# Altium PCB PCB.PcbDoc
Units mil, origin at the board's own origin, x right, y up, seen from the top; angles counter-clockwise.
Board outline 2555 x 3730 mil, 2 copper layers (Top Layer, Bottom Layer); 30 components, 30 nets, 171 pads, 37 vias.
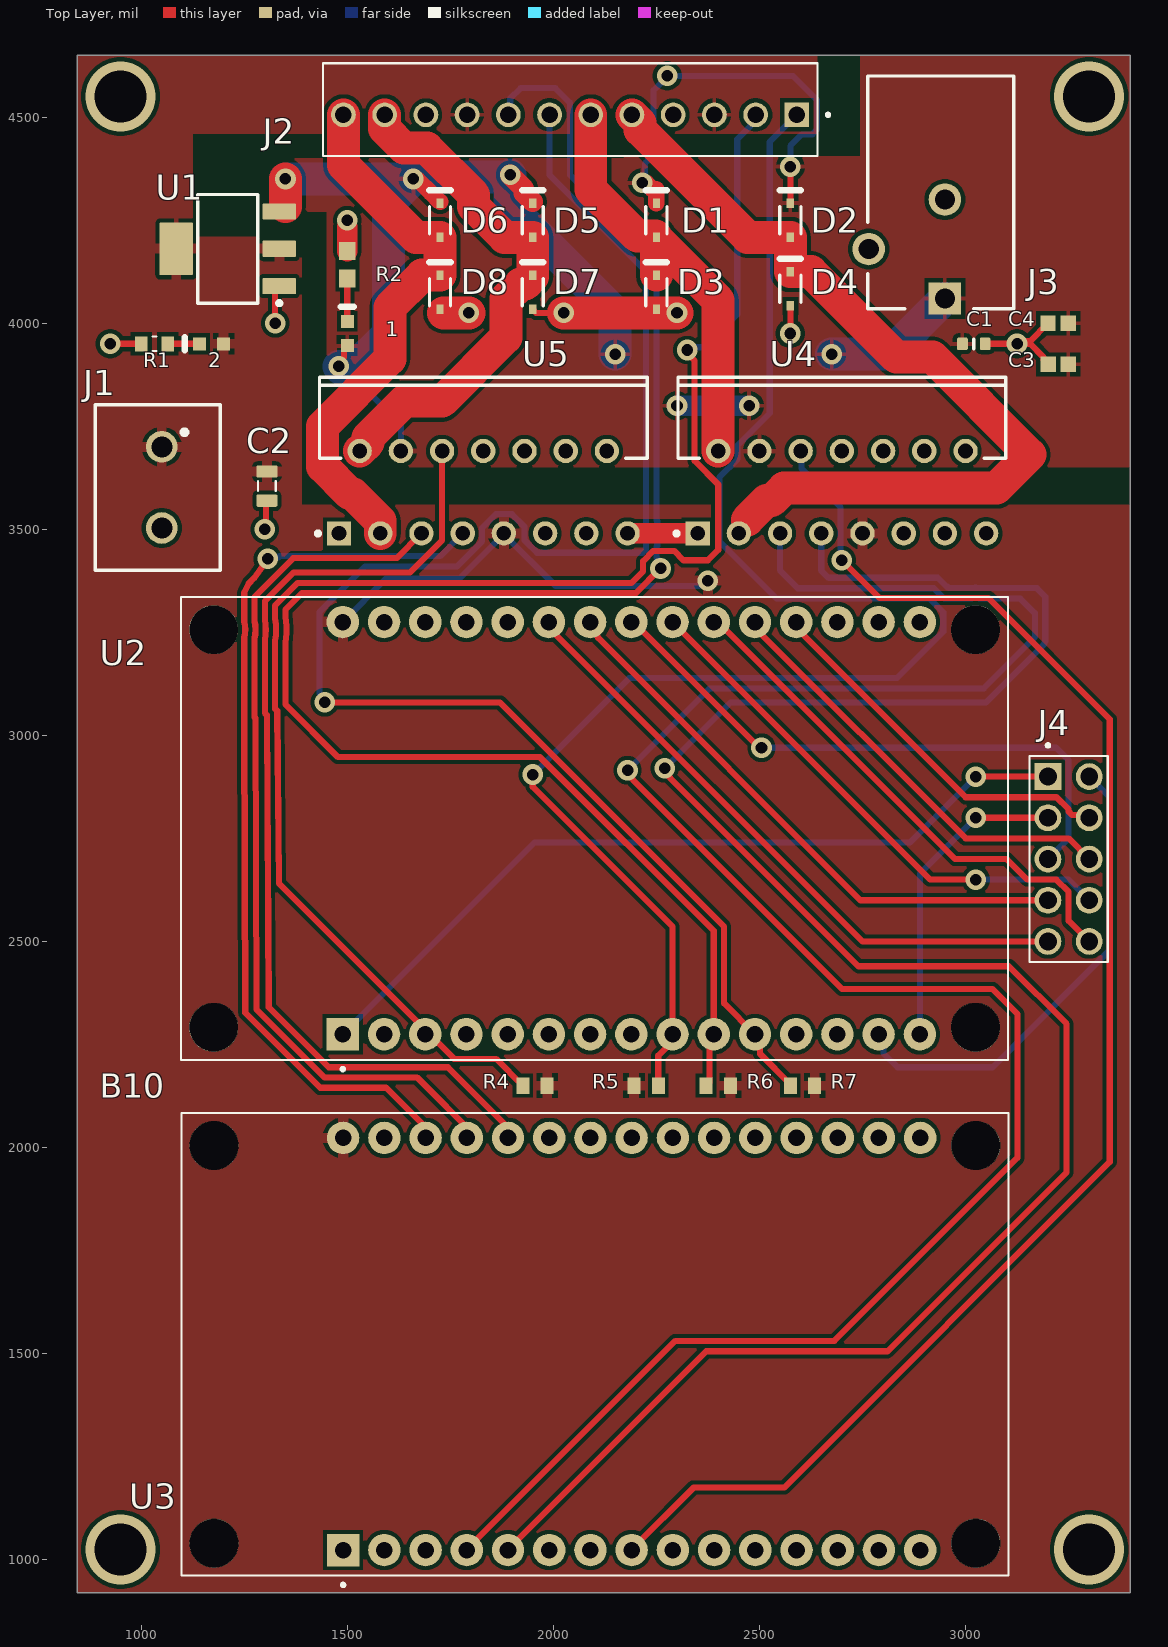
[diagram p0: Top Layer view]
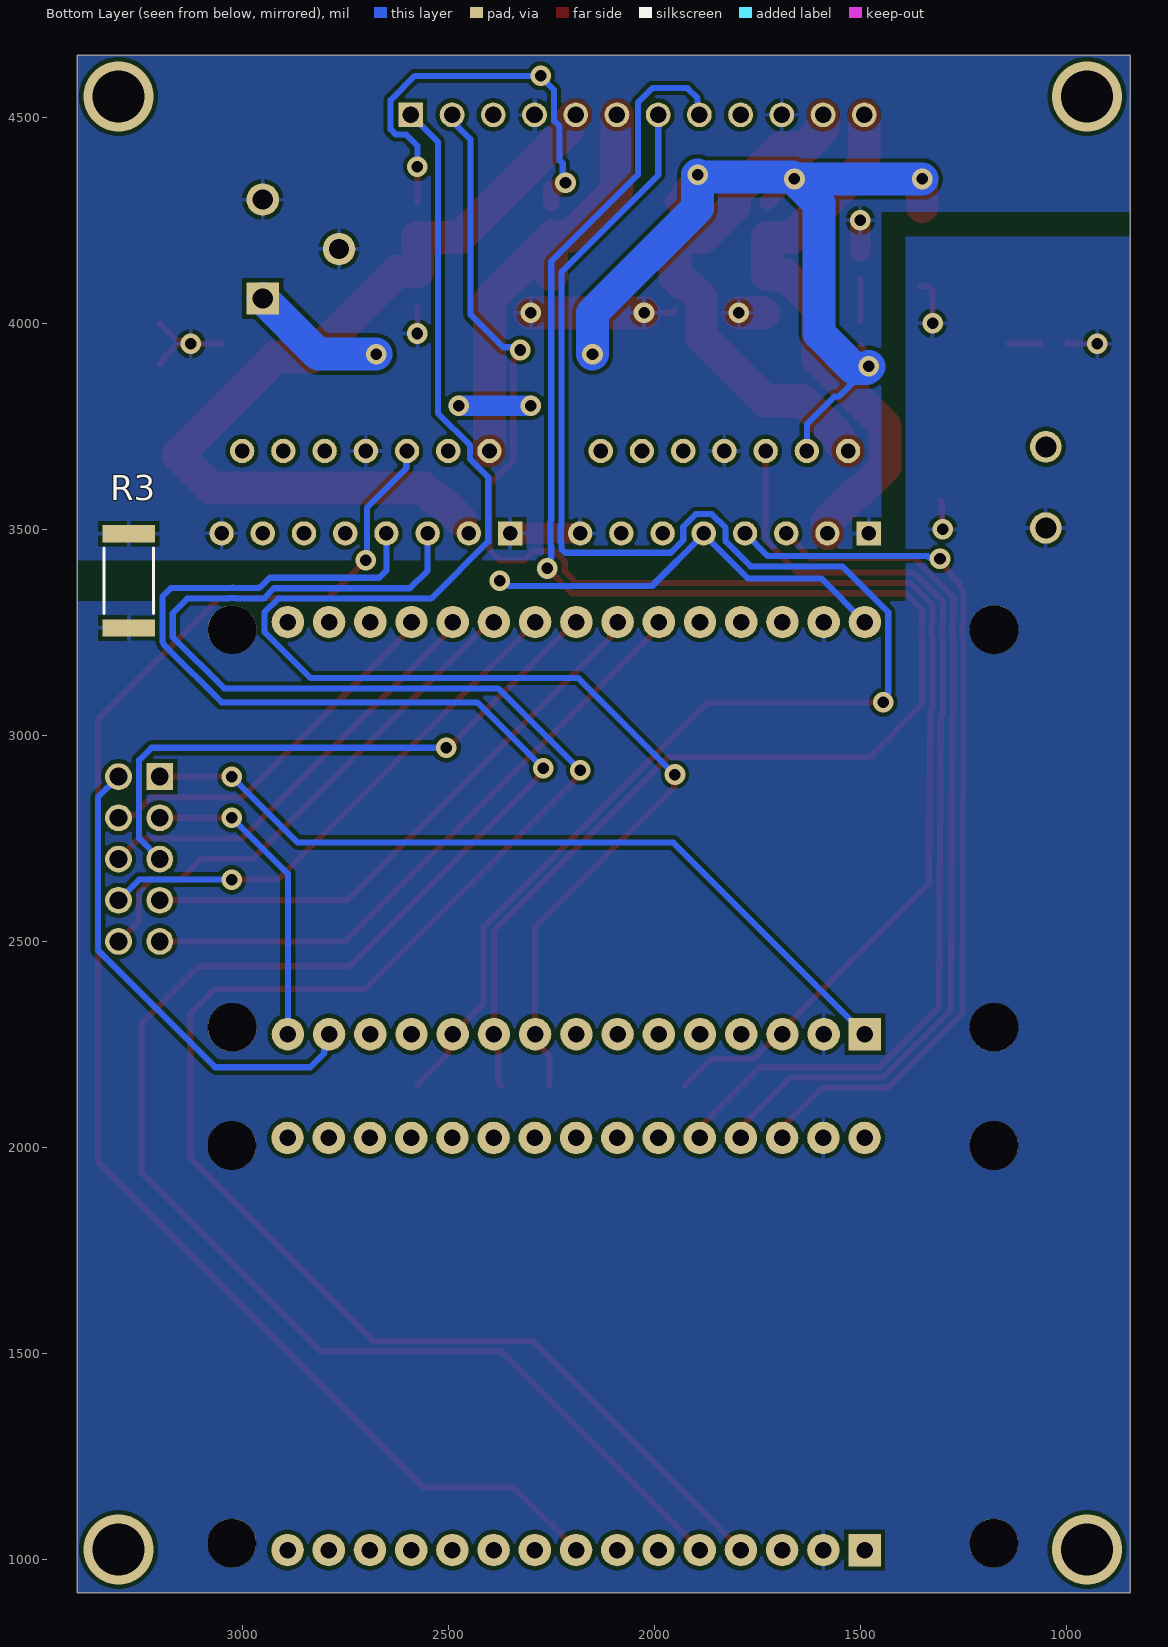
[diagram p1: Bottom Layer view, seen from below]
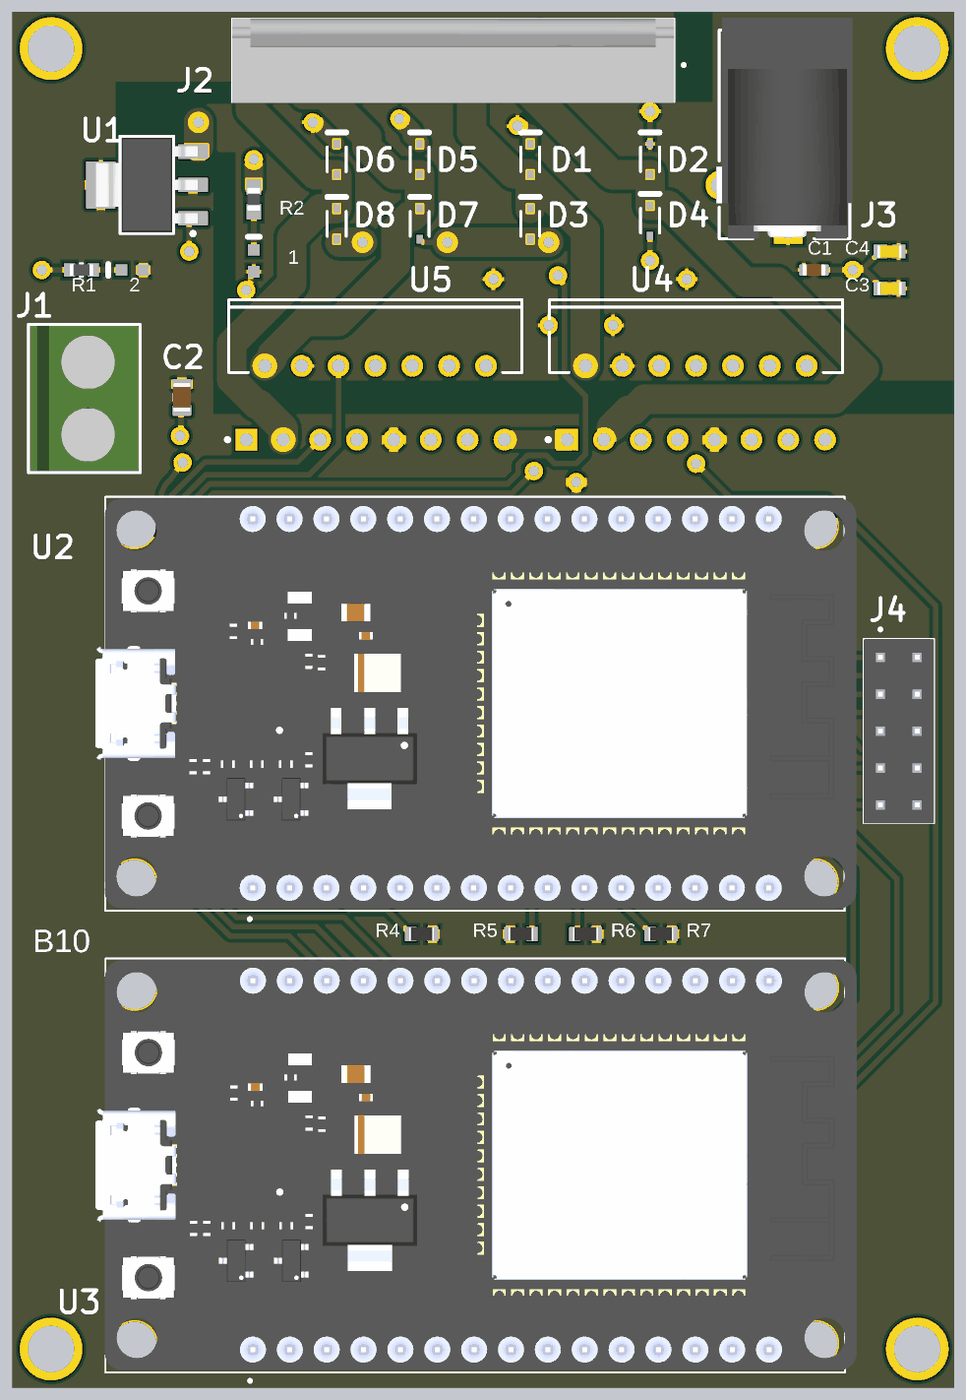
[diagram p2: 3D render of the assembled board from above, using the file's embedded part models]

## Layer stack, top to bottom
Top Solder: solder mask 0.4, Solder Resist, Dk 3.5
Top Layer: signal copper 1.4
Dielectric 1: dielectric 12.6, FR-4, Dk 4.8
Bottom Layer: signal copper 1.4
Bottom Solder: solder mask 0.4, Solder Resist, Dk 3.5

## Board outline
845,4650 3400,4650 3400,920 845,920

## Design rules (kind name [scope] priority, off if disabled: settings)
Clearance Clearance_2 [All] p1: gap=10 ignorepadtopadclearanceinfootprint=FALSE except(0: Arc-Hole Track-Hole SMDPad-Hole THPad-Hole Via-Hole Fill-Hole Poly-Hole Region-Hole Text-Hole)
Clearance Clearance_1 [All] p2: gap=10 ignorepadtopadclearanceinfootprint=FALSE except(0: Arc-Hole Track-Hole SMDPad-Hole THPad-Hole Via-Hole Fill-Hole Poly-Hole Region-Hole Text-Hole)
Clearance [All] p3: gap=10 ignorepadtopadclearanceinfootprint=FALSE except(0: Arc-Hole Track-Hole SMDPad-Hole THPad-Hole Via-Hole Fill-Hole Poly-Hole Region-Hole Text-Hole)
Clearance Clearance_3_1 [OnMid vs OnMid] p4: gap=10 ignorepadtopadclearanceinfootprint=FALSE except(0: Arc-Hole Track-Hole SMDPad-Hole THPad-Hole Via-Hole Fill-Hole Poly-Hole Region-Hole Text-Hole) sourcerule=47 cellrowname=All cellrowtype=0 cellcolname=All cellcoltype=0 innerlayers=TRUE
Clearance Clearance_3_2 [(ExistsOnLayer('Top Layer') Or ExistsOnLayer('Bottom Layer')) vs (ExistsOnLayer('Top Layer') Or ExistsOnLayer('Bottom Layer'))] p5: gap=10 ignorepadtopadclearanceinfootprint=FALSE except(0: Arc-Hole Track-Hole SMDPad-Hole THPad-Hole Via-Hole Fill-Hole Poly-Hole Region-Hole Text-Hole) sourcerule=47 cellrowname=All cellrowtype=0 cellcolname=All cellcoltype=0 outerlayers=TRUE
Clearance Clearance_3 [All] p6: gap=10 ignorepadtopadclearanceinfootprint=FALSE except(0: Arc-Hole Track-Hole SMDPad-Hole THPad-Hole Via-Hole Fill-Hole Poly-Hole Region-Hole Text-Hole) ismatrix=TRUE
HoleSize [All] p1: absolutevalues=TRUE maxlimit=1000 minlimit=12 maxpercent=80.000 minpercent=20.000
MinimumAnnularRing MinimumAnnularRing_1 [All] p1: minimumring=7
PlaneConnect PlaneConnect_1 [InNet('GND')] p1: planeconnectstyle=Relief reliefexpansion=20 reliefentries=4 reliefconductorwidth=50 reliefairgap=10
PlaneConnect [All] p2: planeconnectstyle=Relief reliefexpansion=20 reliefentries=4 reliefconductorwidth=50 reliefairgap=10
PolygonConnect PolygonConnect_4 [All vs IsNamedPolygon('+5') Or IsNamedPolygon('+12') Or IsNamedPolygon('GND')] p1: connectstyle=Relief reliefconductorwidth=25 reliefentries=4 polygonreliefangle="90 Angle" airgapwidth=10
PolygonConnect PolygonConnect_3 [All vs IsNamedPolygon('+5') Or IsNamedPolygon('+12') Or IsNamedPolygon('GND')] p2: thpad.connectstyle=Relief thpad.reliefconductorwidth=25 thpad.reliefentries=4 thpad.polygonreliefangle="90 Angle" thpad.airgapwidth=10 smdpad.connectstyle=Relief smdpad.reliefconductorwidth=10 smdpad.reliefentries=4 smdpad.polygonreliefangle="90 Angle" smdpad.airgapwidth=10 via.connectstyle=Relief via.reliefconductorwidth=10 via.reliefentries=4 via.polygonreliefangle="90 Angle" via.airgapwidth=10
PolygonConnect PolygonConnect_2 [All vs IsNamedPolygon('GND')] p3: connectstyle=Relief reliefconductorwidth=25 reliefentries=4 polygonreliefangle="90 Angle" airgapwidth=10
PolygonConnect PolygonConnect_1 [All vs IsNamedPolygon('+5')] p4: connectstyle=Relief reliefconductorwidth=25 reliefentries=4 polygonreliefangle="90 Angle" airgapwidth=10
PolygonConnect [All] p5: connectstyle=Relief reliefconductorwidth=10 reliefentries=4 polygonreliefangle="90 Angle" airgapwidth=10
PolygonConnect PolygonConnect_5 [All] p6: connectstyle=Relief reliefconductorwidth=20 reliefentries=4 polygonreliefangle="90 Angle" airgapwidth=10
RoutingVias [All] p1: holewidth=28 width=50 viastyle="Through Hole" minholewidth=28 minwidth=50 maxholewidth=28 maxwidth=50
SolderMaskExpansion [All] p1: expansion=4 istentingtop=FALSE
Width MaxMinWidth_1 [All] p1: maxlimit=100 minlimit=10 preferedwidth=10 minimp=50.000000 maximp=50.000000 favimp=50.000000
Width [All] p2: maxlimit=25 minlimit=15 preferedwidth=15
28 further rules are at their usual default settings.

## Classes and differential pairs
component class Microcontroller: J4 R4 R5 R6 R7 U2 U3
component class IO: 1 2 J1 J2 J3 R1 R2 R3 U1
component class Driver: C3 C4 D1 D2 D3 D4 D5 D6 D7 D8 U4 U5

## Components (designator, comment, footprint, x,y, rotation, side; value= is the part's Value field where it differs from the comment)
1 "HSMG-C190" AVAG-HSMX-C190_V 1500,3975 r90 top
2 "HSMA-C190" AVAG-HSMX-C190_V 1170.47,3950 r180 top
C1 "Capacitor 10µF +/-20% 10V 0603" CAPC0603(1608)100_L 3020,3950 r180 top value=10µF
C2 "Capacitor 22µF +/-40% 16V 0805" CAPC0805(2012)145_L 1305,3605 r90 top value=22µF
C3 "Capacitor 100 nF +/-10% 50 V 0603" CAPC1608X90X40NL10T20 3225,3900 r0 top value=100nF
C4 "Capacitor 100 nF +/-10% 50 V 0603" CAPC1608X90X40NL10T20 3224.61,4000 r0 top value=100nF
D1 "1N4148WS-7-F" DIOD-SOD323-2-A_V 2250,4250 r90 top
D2 "1N4148WS-7-F" DIOD-SOD323-2-A_V 2575,4250 r90 top
D3 "1N4148WS-7-F" DIOD-SOD323-2-A_V 2250,4075 r90 top
D4 "1N4148WS-7-F" DIOD-SOD323-2-A_V 2575,4083.46 r90 top
D5 "1N4148WS-7-F" DIOD-SOD323-2-A_V 1950,4250 r90 top
D6 "1N4148WS-7-F" DIOD-SOD323-2-A_V 1725,4250 r90 top
D7 "1N4148WS-7-F" DIOD-SOD323-2-A_V 1950,4075 r90 top
D8 "1N4148WS-7-F" DIOD-SOD323-2-A_V 1725,4075 r90 top
J1 "691137710002" 691137710002 1050,3601.57 r270 top
J2 "1-640456-2" TE_1-640456-2 2590.73,4505.55 r0 top
J3 "C-Pwr" KLD_XLGE1.2 2857.5,4180 r270 top
J4 "67997-410HLF" AMPHENOL_67997-410HLF 3250,2700 r270 top
R1 "RT0603BRE07250RL" RESC1608X55N 1032.28,3950 r0 top
R2 "RC0603FR-13620RL" 0603 1500,4141.54 r90 top
R3 "Jumper 2512(6432)" RESC2512(6432)_L 3275,3375 r270 bottom value="0.00 Ohm"
R4 "Resistor 1k +/-1% 0603 100 mW" RESC1608X55X25ML10T15 1955.47,2150 r0 top value=1k
R5 "Resistor 1k +/-1% 0603 100 mW" RESC1608X55X25ML10T15 2225,2150 r180 top value=1k
R6 "Resistor 1k +/-1% 0603 100 mW" RESC1608X55X25ML10T15 2400,2150 r0 top value=1k
R7 "Resistor 1k +/-1% 0603 100 mW" RESC1608X55X25ML10T15 2604.53,2150 r0 top value=1k
U1 "LM1117IMP-5.0-NOPB" DCY0004A_M 1210,4180.55 r180 top
U2 "ESP32-DEVKIT-V1" MODULE_ESP32_DEVKIT_V1 2100,2775 r90 top
U3 "ESP32-DEVKIT-V1" MODULE_ESP32_DEVKIT_V1 2100.79,1523.5 r90 top
U4 "L298N" STM-FM-15 2700,3590 r90 top
U5 "L298N" STM-FM-15 1830,3590 r90 top

## Footprints (in the part's own frame and the unit in brackets; to place one, negate y for a bottom-side part, rotate by r counter-clockwise, add the part's x,y. Pads: shape width x height; smd on the part's side, far side on the other; paste and mask are expansions set on the pad)
0603 [mm]
  rect 1.1x1 smd: 1(-0.85,0) 2(0.85,0)
  body extent -0.8,-0.44 0.8,0.46, height 0.78
691137710002 [mm]
  round 1.95 hole 1.3: 1(-2.5,0) 2(2.5,0)
  silkscreen extent -5.1,-4.1 5.1,3.6, body extent -5,-3.99 5,3.51, height 11.5
AMPHENOL_67997-410HLF [mm]
  rect 1.65x1.65 hole 1.1: 01(-5.08,-1.27)
  round 1.65 hole 1.1: 02(-5.08,1.27) 03(-2.54,-1.27) 04(-2.54,1.27) 05(0,-1.27) 06(0,1.27) 07(2.54,-1.27) 08(2.54,1.27) 09(5.08,-1.27) 10(5.08,1.27)
  silkscreen extent -7.1,-2.41 6.35,2.41, body extent -6.35,-2.41 6.35,2.41, height 8.38
AVAG-HSMX-C190_V [mm] "SMD, 2-Leads, Body 1.6x0.8mm, Height 0.9mm"
  rect 0.8x0.8 smd: 1(-0.75,0) 2(0.75,0)
  silkscreen extent 1.65,-0.4 1.65,0.4, body extent -0.8,-0.4 0.8,0.4, height 0.9
CAPC0603(1608)100_L [mm] "Chip Capacitor, Body 1.6x0.8mm, Height 1.0mm, IPC High Density"
  rrect25% 0.66x0.76 smd: 1(-0.7,0) 2(0.7,0)
  silkscreen extent 0,-0.3 0,0.3, body extent -0.8,-0.4 0.8,0.4, height 0.95
CAPC0805(2012)145_L [mm] "Chip Capacitor, Body 2.0x1.2mm, Height 1.45mm, IPC High Density"
  rrect25% 0.76x1.3 smd: 1(-0.9,0) 2(0.89,0)
  silkscreen extent -0.3,-0.55 0.3,0.55, body extent -1,-0.6 1,0.6, height 1.45
CAPC1608X90X40NL10T20 [mm] "Chip Capacitor, 2-Leads, Body 1.70x0.90mm, IPC Medium Density"
  rect 0.95x0.95 smd: 1(-0.625,0) 2(0.625,0)
  body extent -0.85,-0.45 0.85,0.45, height 0.9
DCY0004A_M [mm] "SOT223, 4-Leads, Body 6.7x3.7mm, Pitch 2.3mm, IPC Low Density"
  rrect10% 2.05x1 smd: 1(-3.175,2.3) 2(-3.175,0) 3(-3.175,-2.3)
  rrect5% 2.05x3.25 smd: 4(3.175,0)
  silkscreen extent -3.3,-3.35 1.85,3.47, body extent -3.5,-3.25 3.5,3.25, height 1.62
DIOD-SOD323-2-A_V [mm] "SOD-323, 2-Leads, Body 1.7x1.3mm"
  rect 0.59x0.45 smd: 1(-1.055,0) 2(1.055,0)
  silkscreen extent -0.85,-0.65 1.85,0.65, body extent -0.85,-0.65 0.85,0.65, height 1.2
KLD_XLGE1.2 [mil] "DC Power Jack, PCB Mount"
  rect 78.74x78.74 hole 49: 1(120,92.5)
  round 78.74 hole 49: 2(-120,92.5) 3(0,-92.5)
  silkscreen extent -420,-95 145,260, body extent -453,-103 145,267, height 434
MODULE_ESP32_DEVKIT_V1 [mm]
  rect 2x2 / inner round 2 / far side rect 2x2 hole 1.02: 1(-12.7,15.515)
  round 2 hole 1.02: 2(-12.7,12.975) 3(-12.7,10.435) 4(-12.7,7.895) 5(-12.7,5.355) 6(-12.7,2.815) 7(-12.7,0.275) 8(-12.7,-2.265) 9(-12.7,-4.805) 10(-12.7,-7.345) 11(-12.7,-9.885) 12(-12.7,-12.425) 13(-12.7,-14.965) 14(-12.7,-17.505) 15(-12.7,-20.045) 16(12.7,-20.045) 17(12.7,-17.505) 18(12.7,-14.965) 19(12.7,-12.425) 20(12.7,-9.885) 21(12.7,-7.345) 22(12.7,-4.805) 23(12.7,-2.265) 24(12.7,0.275) 25(12.7,2.815) 26(12.7,5.355) 27(12.7,7.895) 28(12.7,10.435) 29(12.7,12.975) 30(12.7,15.515)
  round 3 hole 3 unplated: ""(-12.28,23.475) ""(-12.28,-23.475) ""(12.23,23.475) ""(12.23,-23.475)
  silkscreen extent -14.95,-25.48 14.23,25.48, body extent -14.1,-26.28 14.1,26.17, height 7.05
RESC1608X55N [mm]
  rect 0.79x0.93 smd: 1(-0.82,0) 2(0.82,0)
  silkscreen extent -0.11,-0.45 0.11,0.45, body extent -0.8,-0.4 0.8,0.4, height 0.55
RESC1608X55X25ML10T15 [mm] "Chip Resistor, 2-Leads, Body 1.70x0.90mm, IPC Low Density"
  rect 0.8x1 smd: 1(-0.75,0) 2(0.75,0)
  body extent -0.85,-0.45 0.85,0.45, height 0.55
RESC2512(6432)_L [mm] "Chip Resistor, Body 6.4x3.2mm, IPC High Density"
  rect 1.05x3.25 smd: 1(-2.9,0) 2(2.9,0)
  silkscreen extent -2,-1.52 2,1.53, body extent -3.25,-1.7 3.25,1.7, height 0.75
STM-FM-15 [mm] "FM, 15-Leads, Body 20.2x5mm, Pitch 1.27mm"
  rect 1.5x1.5 hole 0.9: 1(-2.54,8.89)
  round 1.5 hole 0.9: 2(2.54,7.62) 3(-2.54,6.35) 4(2.54,5.08) 5(-2.54,3.81) 6(2.54,2.54) 7(-2.54,1.27) 8(2.54,0) 9(-2.54,-1.27) 10(2.54,-2.54) 11(-2.54,-3.81) 12(2.54,-5.08) 13(-2.54,-6.35) 14(2.54,-7.62) 15(-2.54,-8.89)
  silkscreen extent -2.66,-10.1 7.09,10.31, body extent -2.8,-10.1 7.09,10.1, height 21
TE_1-640456-2 [mil]
  rect 60x60 hole 40.16: 1(0,0)
  round 60 hole 40.16 paste-99999: 2(-100,0)
  round 60 hole 40.16: 3(-200,0) 4(-300,0) 5(-400,0) 6(-500,0) 7(-600,0) 8(-700,0) 9(-800,0) 10(-900,0) 11(-1000,0) 12(-1100,0)
  silkscreen extent -1150,-100 80,125, body extent -1150,-102 50,128, height 395

## Part data
1: library part CMP-007-00013-2, "LED Uni-Color Green, 52 mW, 20 mA, -40 to 85 degC, 2-Pin SMD, RoHS, Tape and Reel", Case/Package=0603, Colour=Green, Forward Current=20mA, Forward Voltage=2.2V, Manufacturer=Avago, Max Operating Temperature=85°C, Min Operating Temperature=-40°C, Package Description="2-Pin Surface Mount Device, Body 1.6 x 0.8 mm, Height 0.9 mm", Package Quantity=4000, Package Reference=HSMX-C190, Power=52mW, Datasheet URL=http://docs.avagotech.com/docs/AV02-0551EN, Datasheet Version=Mar-12, Illumination Colour=Green, Lens Style=Diffused, Luminous Intensity=15mcd, Manufacturer URL=http://www.avagotech.com/, Mounting Technology=SM, Nominal Vf=2.2V, Packaging=TapeandReel, Pins=2, RoHS Compliant=True, Viewing Angle=170degrees
2: library part CMP-007-00011-2, "LED Uni-Color Amber, 60 mW, 20 mA, -40 to 85 degC, 2-Pin SMD, RoHS, Tape and Reel", Case/Package=0603, Colour=Orange, Forward Current=20mA, Forward Voltage=1.9V, Manufacturer=Avago, Max Operating Temperature=85°C, Min Operating Temperature=-40°C, Package Description="2-Pin Surface Mount Device, Body 1.6 x 0.8 mm, Height 0.9 mm", Package Quantity=4000, Package Reference=HSMX-C190, Power=60mW, Datasheet URL=http://docs.avagotech.com/docs/AV02-0112EN, Datasheet Version=Sep-10, Illumination Colour=Orange, Lens Style=Diffused, Luminous Intensity=90mcd, Manufacturer URL=http://www.avagotech.com/, Mounting Technology=SM, Nominal Vf=1.9V, Packaging=TapeandReel, Pins=2, RoHS Compliant=True, Viewing Angle=170degrees
C1: library part CMP-001-00075-4, "Chip Capacitor, 10µF +/-20%, 10V, 0603, Thickness 1 mm", Case/Package=0603, Max Operating Temperature=85°C, Min Operating Temperature=-55°C, Tolerance=10%, Voltage Rating=10V, Mounting Technology=SMT, Pins=2
C2: library part CMP-001-00081-4, "Chip Capacitor, 22µF +/-40%, 16V, 0805, Thickness 1.45 mm", Case/Package=0805, Max Operating Temperature=85°C, Min Operating Temperature=-55°C, Tolerance=5%, Voltage Rating=16V, Mounting Technology=SMT, Pins=2
C3 C4: library part CMP-001-00017-6, "Chip Capacitor, 100 nF, +/- 10%, 50 V, 0603 (1608 Metric)", Capacitor Type=Ceramic, Case/Package=0603, Max Operating Temperature=125°C, Min Operating Temperature=-55°C, Tolerance=10%, Voltage Rating=50V, Mounting Technology=SM, Pins=2, RoHS Compliant=True
D1 D2 D3 D4 D5 D6 D7 D8: library part CMP-1667-00004-1, "Fast Switching Diode, 75 V, 0.3 A, -65 to 150 degC, 2-Pin SOD323, RoHS, Tape and Reel", ComponentLink1Description="Manufacturer URL", ComponentLink1URL=http://www.diodes.com/, ComponentLink2Description=Datasheet, ComponentLink2URL=http://www.diodes.com/datasheets/ds30097.pdf, DatasheetVersion="Rev. 25-2, 03/2016", PackageDescription="2-Pin Small Outline Diode, Body 1.7 x 1.3 mm", PackageReference=SOD323-2
J1: "2 Position Wire to Board Terminal Block Horizontal with Board 0.197 (5.00mm) Through Hole", Package=None, Availability=Warning, Check_prices=https://www.snapeda.com/parts/691137710002/W%C3%BCrth%20Elektronik/view-part/4793356/?ref=eda, MF="WÃ¼rth Elektronik", MP=691137710002, Price=None, Purchase-URL=https://pricing.snapeda.com/search/part/691137710002/?ref=eda, SnapEDA_Link=https://www.snapeda.com/parts/691137710002/W%C3%BCrth%20Elektronik/view-part/4793356/?ref=snap
J2: Package=None, Availability=Unavailable, MP=1-640456-2, Price=None
J3: "Low Voltage Power Supply Connector", ComponentLink1Description="Manufacturer Link", ComponentLink1URL=http://domino.kycon.com/internet/Products.html, ComponentLink2Description="Datasheet (ELEC391)", ComponentLink2URL=http://www.cui.com/product/resource/pj-102a.pdf, DatasheetDocument=09-May-2002, Published=17-Dec-2003, Publisher="Altium Limited"
J4: "BergStikÂ®, Board to Board connector, Unshrouded vertical header, Through Hole, Double Row, 10 Positions, 2.54 mm (0.100in) Pitch", Package=None, Check_prices=https://www.snapeda.com/parts/67997-410HLF/Amphenol+FCI/view-part/?ref=eda, Digi-Key_Part_Number=609-3243-ND, MF="Amphenol ICC", MP=67997-410HLF, Purchase-URL=https://pricing.snapeda.com/search/part/67997-410HLF/?ref=eda, SnapEDA_Link=https://www.snapeda.com/parts/67997-410HLF/Amphenol+FCI/view-part/?ref=snap
R1: "250 Ohms Â±0.1% 0.1W, 1/10W Chip Resistor 0603 (1608 Metric) - Thin Film", Package="1608 Yageo", Availability="In Stock", Check_prices=https://www.snapeda.com/parts/RT0603BRE07250RL/Yageo/view-part/?ref=eda, MF=Yageo, MP=RT0603BRE07250RL, Price=None, Purchase-URL=https://pricing.snapeda.com/search/part/RT0603BRE07250RL/?ref=eda, SnapEDA_Link=https://www.snapeda.com/parts/RT0603BRE07250RL/Yageo/view-part/?ref=snap
R2: "https://octopart.com/rc0603fr-13100kl-yageo-12819546", Package=None, Availability=Unavailable, MP=RC0603FR-13620RL, Price=None
R3: library part CMP-1018-00001-1, "Jumper 2512 (6432 Metric)", Case-EIA=2512, Case-Metric=6432, Power=None, Technology=SMT, Tolerance=None
R4 R5 R6 R7: library part CMP-009-00014-5, "Chip Resistor, 1 KOhm, +/-1%, 0.1 W, -55 to 155 degC, 0603 (1608 Metric)", Case/Package=0603, Max Operating Temperature=155°C, Min Operating Temperature=-55°C, Power=100mW, Tolerance=1%, Voltage Rating=50V, Mounting Technology=SM, Pins=2, RoHS Compliant=True
U1: library part CMP-019-00021-4, "Low-Dropout Linear Regulator, 800 mA, -40 to 125 degC, 4-Pin SOT-223 (DCY), Green (RoHS & no Sb/Br), Tape and Reel", Case/Package=SOT-223, Dropout Voltage=1.2V, Manufacturer="Texas Instruments", Max Input Voltage=15V, Max Operating Temperature=125°C, Max Ouput Current=800mA, Min Input Voltage=2.6V, Min Operating Temperature=-40°C, Nominal Output Voltage=5V, Package Description="4-Pin Small Outline Transistor, Body 6.5 x 3.5 mm, Pitch 2.3 mm", Package Reference=DCY0004A, Datasheet URL=http://www.ti.com/lit/ds/symlink/lm1117.pdf, Datasheet Version="SNOS412N, 01/2016", Manufacturer URL=http://www.ti.com/, Mounting Technology=SM, Output Current=800mA, Output Voltage=5V, Outputs=1, Packaging=TapeandReel, Pins=4, RoHS Compliant=True
U2 U3: "Dual core, Wi-Fi: 2.4 GHz up to 150 Mbits/s,BLE (Bluetooth Low Energy) and legacy Bluetooth, 32 bits, Up to 240 MHz", Package=None, Availability="Not in stock", Check_prices=https://www.snapeda.com/parts/ESP32-DEVKIT-V1/Do+it/view-part/?ref=eda, MF="Do it", MP=ESP32-DEVKIT-V1, Price=None, SnapEDA_Link=https://www.snapeda.com/parts/ESP32-DEVKIT-V1/Do+it/view-part/?ref=snap
U4 U5: library part CMP-2000-06526-1, "Dual Full-Bridge Driver, 4.8 to 46 V, -40 to 150 degC, 15-Pin FM (MW 15L), RoHS, Tube", Driver Case Style=Multiwatt, Manufacturer=STMicroelectronics, Operating Temperature Max=130°C, Operating Temperature Min=-25°C, Output Current=2A, Output Voltage=46V, Package Description="15-Pin Flange Mount, Body 5 x 19.6 mm, Pitch 1.27 mm", Package Reference=FM-15, PartNumber=L298, Supply Voltage Max=7V, Supply Voltage Min=4.5V, Automotive Qualification Standard=-, Datasheet URL=https://datasheet.ciiva.com/15109/getdatasheetpartid-50682-15109332.pdf, Datasheet Version=01/2000, Manufacturer URL=http://www.st.com/, Motor Type=FullBridge, Mounting Technology=ThroughHole, MSL=-, No. of Outputs=4Outputs, No. of Pins=15Pins, Packaging=Each, Product Range=-, SVHC=NoSVHC(17-Dec-2015)

## Via types
v1: diameter 50, hole 28, Top Layer to Bottom Layer, 33 vias
v2: diameter 170, hole 126, Top Layer to Bottom Layer, 4 vias

## Nets (pads, with @x,y where several pads share a name; then routed paths per layer and width w, separated by ;. In a path a pad name is that pad's centre, name@x,y a point inside that pad or via, vN(x,y) a via of type N, cw(c..) or ccw(c..) an arc to the next point about the centre after c; other vN are vias at no path point)
+5: 2.1 C2.2 J1.1 J2.3 J2.9 R4.2 R5.2 R6.2 R7.2 U1.2 U1.4 U2.30 U3.30 U4.9 U5.9 | length 1033.2
  Bottom Layer w15: U2.30 1595.11,3380.94 1772.8,3380.94 U5.9@1880,3488.14 ; U5.9 U5.9@1880,3488.14 ; v1(2375,3375) 2365.53,3375 2352.98,3362.45 2005.69,3362.45 U5.9@1880,3488.14
+12: 1.1 C1.2 C3.2 C4.2 D1.2 D2.2 D5.2 D6.2 J3.1 U1.3 U4.4 U5.4 | length 3794.4
  Top Layer w15: U1.3 1337.81,4271.1 U1.3@1350,4283.29 ; v1(1479.47,3895.53) 1479.47,3905 1491.75,3917.29 1491.75,3937.23 1.1 ; 1693.59,4316.41 1702.88,4316.41 ; D6.2 D6.2@1725,4294.29 ; 1928.59,4315.7 1928.59,4326.41 ; D5.2 D5.2@1950,4294.29 ; v1(2215.53,4340.53) v1@2225,4340.53 ; D2.2 v1(2575,4380)
  Top Layer w40: v1(1660,4350) 1661.91,4348.09 1671.2,4348.09 1702.88,4316.41 D6.2@1725,4294.29 ; v1@2225,4340.53 2240.49,4325.05 2250,4325.05 D1.2
  Top Layer w50: v1(1895,4360) 1928.59,4326.41 ; 1928.59,4315.7 D5.2@1950,4294.29
  Top Layer w80: U1.3@1350,4283.29 v1(1350,4350)
  Bottom Layer w15: v1@1485,3890 1553.08,3821.92 1563.08,3821.92 1630,3755 U5.4 ; v1@1660,4349.9 v1(1660,4350) v1@1665,4355 ; v1@1890,4355 v1(1895,4360) ; v1(2215.53,4340.53) 2222.23,4347.23 2222.23,4387.76 2230,4395.53 2230,4477.65 2243.23,4490.88 2243.23,4565.56 2275.96,4598.29 v1(2275.96,4600) 2581.03,4600 2640,4541.03 2640,4470.07 2627.98,4458.05 2603.05,4458.05 2575,4430 v1(2575,4380)
  Bottom Layer w50: v1(2300,3800) v1(2475,3800)
  Bottom Layer w80: v1(1350,4350) v1(1660,4350) ; v1(1479.47,3895.53) 1485,3890 1515,3890 1600,3975 1600,4289.9 v1@1660,4349.9 ; v1@1665,4355 v1@1890,4355 ; v1(1895,4360) 1895,4280 2150,4025 v1(2150,3925) ; v1(2675,3925) 2815,3925 J3.1
"Encoder A A": J2.2 R4.1 U2.3 | length 3817.8
  Top Layer w15: R4.1 1860.94,2215 1759.53,2215 1699.53,2275 U2.3 1689.17,2285.83 1334.39,2640.61 1330,3059.64 1325,3064.64 1325,3229.95 ccw(c1175.79,3256.5) 1325,3283.04 1325,3315.36 1379.64,3370 2189.64,3370 2217.55,3397.91 2217.55,3422.55 2242.45,3447.45 2293.27,3447.45 2315.72,3425 2375,3425 2400,3450 2400,3608.68 2342.5,3666.18 2342.5,3908.71 2325,3926.21 v1(2325,3935)
  Bottom Layer w15: v1(2325,3935) 2331.7,3941.7 2366.7,3941.7 2446.26,4021.26 2446.26,4446.26 2478.16,4478.16 2478.16,4482.44 2490.73,4495.01 J2.2
"Encoder A B": J2.1 R5.1 U2.9 | length 3823.6
  Top Layer w15: v1(1950,2905) 1950,2875 2289.17,2535.83 U2.9 2289.17,2257.75 2254.53,2223.11 R5.1
  Bottom Layer w15: v1(1950,2905) 2184.04,3139.04 2833.64,3139.04 2946.04,3251.44 2946.04,3298.56 2912.73,3331.87 2672.78,3331.87 ; J2.1 2525,4439.82 2525,3781.51 2447.03,3703.53 2447.03,3670.52 2402.97,3626.47 2402.97,3470.52 2541.62,3331.87 2672.77,3331.87
"Encoder B A": J2.8 R6.1 U2.10 | length 4266.2
  Top Layer w15: v1(2260.05,3404.95) 2259.95,3404.95 2200,3345 1390,3345 1350,3305 1350,3286.36 1351.02,3278.04 cw(c1175.79,3256.5) 1351.02,3234.95 1350,3226.63 1350,3075 1477.5,2947.5 1967.6,2947.5 2389.17,2525.93 U2.10 2378.72,2264.55 2378.72,2158.25 R6.1
  Bottom Layer w15: J2.8 1895.26,4510.08 1895.26,4545.26 1920.34,4570.34 2004.66,4570.34 2040,4535 2040,4360 2250,4150 2250,3521.86 2252.03,3519.83 2252.03,3460.17 2250,3458.14 2250,3431.23 2253.36,3427.88 2253.36,3411.64 v1(2260.05,3404.95)
"Encoder B B": J2.7 R7.1 U2.11 | length 3996.4
  Top Layer w15: v1(1445,3080) 1870.46,3080 2414.17,2536.29 2414.17,2350 U2.11 2501.37,2262.8 2501.37,2227.57 2575,2153.94 R7.1
  Bottom Layer w15: v1(1445,3080) 1445,3089.47 1432.3,3102.17 1432.3,3298.56 1543.75,3410 1766.51,3410 1827.03,3470.52 1827.03,3503.53 1860.52,3537.03 1899.48,3537.03 1930,3506.51 1930,3473.49 1960.52,3442.97 2216.21,3442.97 2225,3451.76 2225,3468.49 2227.03,3470.52 2227.03,3509.48 2225,3511.51 2225,4125 1990.73,4359.27 J2.7
GND: C2.1 J1.2 R1.1 R3.2 U1.1 U2.2 U2.29 U3.2 U3.29 | length 267.4
  Top Layer w15: v1(925,3950) R1.1 R1.1@995.8,3954.2 ; v1(1300,3500) 1302.5,3502.5 1302.5,3567.07 C2.1 ; v1(1325,4000) 1325,4080 U1.1 U1.1@1355.67,4090
MotorA+: D1.1 D3.2 J2.6 U4.2 | length 1055.5
  Top Layer w80: J2.6 2090.73,4324.27 2203.78,4211.22 2247.24,4211.22 D1.1 ; D3.2 2250,4205.71 2400,4055.71 U4.2
MotorA-: D2.1 D4.2 J2.5 U4.3 | length 2174.6
  Top Layer w15: U4.3 U4.3@2450,3495.81 ; 2475,3520.81 2475,3525 2500,3550 ; D2.1@2575,4205.71 D2.1 ; 3156.29,3681.29 3156.29,3693.71
  Top Layer w80: J2.5 2210.73,4485.55 2210.73,4469.27 2471.54,4208.46 D2.1 ; 2470.47,3522.94 2517.06,3569.53 2529.53,3569.53 2560,3600 3075,3600 3156.29,3681.29 2920.03,3917.54 2832.46,3917.54 2625,4125 D4.2 D2.1@2575,4205.71
MotorB+: D5.1 D7.2 J2.11 U5.2 | length 1271.2
  Top Layer w15: D7.2@1950,4113.78 D7.2
  Top Layer w80: U5.2 1550.47,3710.47 1550.47,3722.94 1638.28,3810.75 1729.98,3810.75 1885,3965.76 1885,4059.65 1920.43,4095.08 1931.3,4095.08 D7.2@1950,4113.78 ; J2.11 1590.73,4471.86 1637.59,4425 1693.29,4425 1806.7,4311.58 1806.7,4283.3 1881.54,4208.46 D5.1 D7.2
MotorB-: D6.1 D8.2 J2.12 U5.3 | length 1352.5
  Top Layer w80: J2.12 1490.73,4384.27 1666.54,4208.46 D6.1 D8.2 1681.54,4116.54 1603.31,4038.31 1603.31,3913.31 1440,3750 1440,3652.72 1506.48,3586.24 1513.52,3586.24 1580,3519.77 U5.3
Net1_2: 1.2 R2.1 | length 103.5
  Top Layer w15: 1.2 R2.1
Net2_2: 2.2 R1.2 | length 76.4
  Top Layer w15: R1.2 2.2
NetJ4_01: J4.01 U2.1 | length 1969.7
  Top Layer w15: v1(3025,2900) J4.01
  Bottom Layer w15: U2.1 1954.17,2740 2865,2740 v1(3025,2900)
NetJ4_02: J4.02 U2.14 | length 1173.1
  Bottom Layer w15: U2.14 2800.84,2263.34 2800.84,2229.16 2835,2195 3065.68,2195 3349.98,2479.3 3349.98,2850.02 J4.02
NetJ4_03: J4.03 U2.15 | length 756.3
  Top Layer w15: v1(3025,2800) J4.03
  Bottom Layer w15: U2.15 2889.17,2664.17 v1(3025,2800)
NetJ4_04: J4.04 U2.19 | length 919
  Top Layer w15: U2.19 2589.17,3260.83 3000.02,2849.98 3220.7,2849.98 3249.98,2820.7 3249.98,2815.31 3258.77,2806.52 3293.48,2806.52 J4.04
NetJ4_05: J4.05 U2.23 | length 1470.9
  Top Layer w15: U2.23 2194.59,3275 2499.59,2970 v1(2505,2970)
  Bottom Layer w15: U2.23 U2.23@2200,3275 ; v1(2505,2970) 3219.71,2970 3249.98,2939.73 3249.98,2749.98 J4.05
NetJ4_06: J4.06 U2.20 | length 1057.3
  Top Layer w15: U2.20 2489.17,3260.83 2999.98,2750.02 3249.98,2750.02 J4.06
NetJ4_07: J4.07 U2.24 | length 1401.7
  Top Layer w15: U2.24 2089.17,3257.75 2108.34,3238.59 2108.34,3236.66 2745,2600 J4.07
NetJ4_08: J4.08 U2.22 | length 1301.2
  Top Layer w15: U2.22@2300,3275 U2.22 2914.17,2650 v1(3025,2650)
  Bottom Layer w15: v1(3025,2650) 3250,2650 J4.08
NetJ4_09: J4.09 U2.25 | length 1540.1
  Top Layer w15: U2.25 1989.17,3260.83 2750,2500 J4.09
NetJ4_10: J4.10 U2.21 | length 1273.2
  Top Layer w15: U2.21 2400,3275 2975,2700 3100,2700 3149.98,2650.02 3220.66,2650.02 3250.02,2620.66 3250.02,2549.98 J4.10
NetU3_4: U3.4 U4.5 | length 5207
  Top Layer w15: U3.4@1790,1025 2295.99,1530.99 2681.97,1530.99 3125.77,1974.79 3125.77,2324.23 3065,2385 2700,2385 2193.59,2891.41 2193.59,2891.94 2180,2905.53 v1(2180,2915)
  Bottom Layer w15: v1(2180,2915) 2379.04,3114.04 3044.04,3114.04 3168.52,3238.52 3168.52,3296.48 3133.13,3331.87 3038.87,3331.87 3032.96,3332.55 ccw(c3024.21,3256.5) 3015.47,3332.55 3009.55,3331.87 2948.08,3331.87 2923.08,3356.87 2593.13,3356.87 2550,3400 U4.5
NetU3_5: U3.5 U4.7 | length 5152
  Top Layer w15: U3.5@1890,1025 2370.99,1505.99 2810.99,1505.99 3245,1940 3245,2300 3105,2440 2740,2440 2283.59,2896.41 2283.59,2896.84 2269.95,2910.48 v1(2269.95,2919.95)
  Bottom Layer w15: v1(2269.95,2919.95) 2430,3080 3049.82,3080 3185.42,3215.6 3189.13,3219.31 3193.52,3228.17 3193.52,3336.48 3173.13,3356.87 3025.02,3358.05 ccw(c3024.21,3256.5) 3023.02,3358.04 2964.35,3357.35 2964.29,3357.35 cw(c2964.17,3372.35) 2953.61,3361.7 2953.56,3361.75 2932.81,3382.5 2667.5,3382.5 2650,3400 U4.7
NetU3_8: U3.8 U4.6 | length 3739.6
  Top Layer w15: U3.8@2190,1025 2340,1175 2560,1175 3349.98,1964.98 3349.98,3038.99 3055.92,3333.05 2791.95,3333.05 v1(2700,3425)
  Bottom Layer w15: U4.6 2601.79,3688.21 2601.79,3648.21 2697.03,3552.97 2697.03,3427.97 v1(2700,3425)
NetU3_26: U3.26 U5.6 | length 2430.7
  Top Layer w15: U5.6 1730,3473.49 1651.51,3395 1369.29,3395 1300,3325.71 1300,3280.73 cw(c1175.79,3256.5) 1300,3232.26 1300,3054.29 1305,3049.29 1309.39,2340.61 1455,2195 1744.17,2195 U3.26@1914.17,2025
NetU3_27: U3.27 U5.5 | length 2133.9
  Top Layer w15: U5.5 1620,3430 1368.93,3430 1275,3336.07 1275,3278.18 cw(c1175.79,3256.5) 1275,3234.81 1275,3043.93 1277.34,3041.59 1280,2334.64 1444.64,2170 1669.17,2170 U3.27@1814.17,2025
NetU3_28: U3.28 U5.7 | length 2205.7
  Top Layer w15: v1(1306.91,3428.08) 1274.69,3382.52 1260.68,3368.51 1250,3346.42 1250,3275.29 cw(c1175.79,3256.5) 1250,3237.7 1250,3033.58 1252.34,2326.95 1256.74,2322.55 1434.29,2145 1594.17,2145 U3.28@1714.17,2025
  Bottom Layer w15: v1(1306.91,3428.08) 1310.53,3431.7 1332.98,3431.7 1336.29,3435 1725,3435 U5.7
PGND: C1.1 C3.1 C4.1 D3.1 D4.1 D7.1 D8.1 J2.4 J2.10 J3.2 J3.3 R2.2 R3.1 U4.1 U4.8 U4.15 U5.1 U5.8 U5.15 | length 1028.3
  Top Layer w15: v1@1488.57,4238.57 1495.76,4238.57 1500,4234.33 v1(1500,4250) ; D8.1 1725,4030.71 1726.36,4029.35 1729.11,4029.35 D8.1@1733.46,4025 ; D7.1 1950,4030.71 1951.36,4029.35 1954.11,4029.35 1958.46,4025 v1(2025,4025) ; v1(2575,3975) D4.1 ; C1.1 v1(3125,3950) ; C4.1 3156.7,3956.7 3131.7,3956.7 v1(3125,3950) ; C3.1 3189.19,3911.2 3189.19,3917.5 3156.7,3950 v1(3125,3950)
  Top Layer w50: R2.2 v1@1500,4234.33 ; U5.15 U4.1
  Top Layer w80: D8.1@1733.46,4025 v1(1795,4025) ; v1(2025,4025) v1(2300,4025)
pads on no net: U2. U2.4 U2.5 U2.6 U2.7 U2.8 U2.12 U2.13 U2.16 U2.17 U2.18 U2.26 U2.27 U2.28 U3. U3.1 U3.3 U3.6 U3.7 U3.9 U3.10 U3.11 U3.12 U3.13 U3.14 U3.15 U3.16 U3.17 U3.18 U3.19 U3.20 U3.21 U3.22 U3.23 U3.24 U3.25 U4.10 U4.11 U4.12 U4.13 U4.14 U5.10 U5.11 U5.12 U5.13 U5.14
copper on no net:
  other v2: 950,1025 3300,1025 950,4550 3300,4550

## Polygon pours and split planes (outlines as drawn)
+12 on Top Layer "+12_L01_P006" (solid, pour order 6): 1450,3650 1450,4270 1285,4270 1285,4400 2170,4400 2175,4405 2745,4405 2745,4650 3400,4650 3400,3650
+5 on Top Layer "+5" (solid, pour order 2): 845,4210 1390,4210 1390,3560 3400,3560 3400,920 845,920
+5 on Top Layer "+5_L01_P007" (solid, pour order 7): 1125,4210 845,4210 845,4650 2640,4650 2640,4460 1125,4460
PGND on Bottom Layer "GND_L02_P003" (solid, pour order 4): 847.6,4650 3400,4650 3400,3425 1450,3425 1450,4270 845,4270
GND on Bottom Layer "GND_L02_P003" (solid, pour order 3): 845,4210 1390,4210 1390,3325 3400,3325 3400,2160 3400,920 845,920

## Silkscreen, mask and mechanical layers (free items; w line width, h text height)
Top Overlay:
  text "B10" at 900,2101.11 h100